# KiCad board 128CR.kicad_pcb (continued)
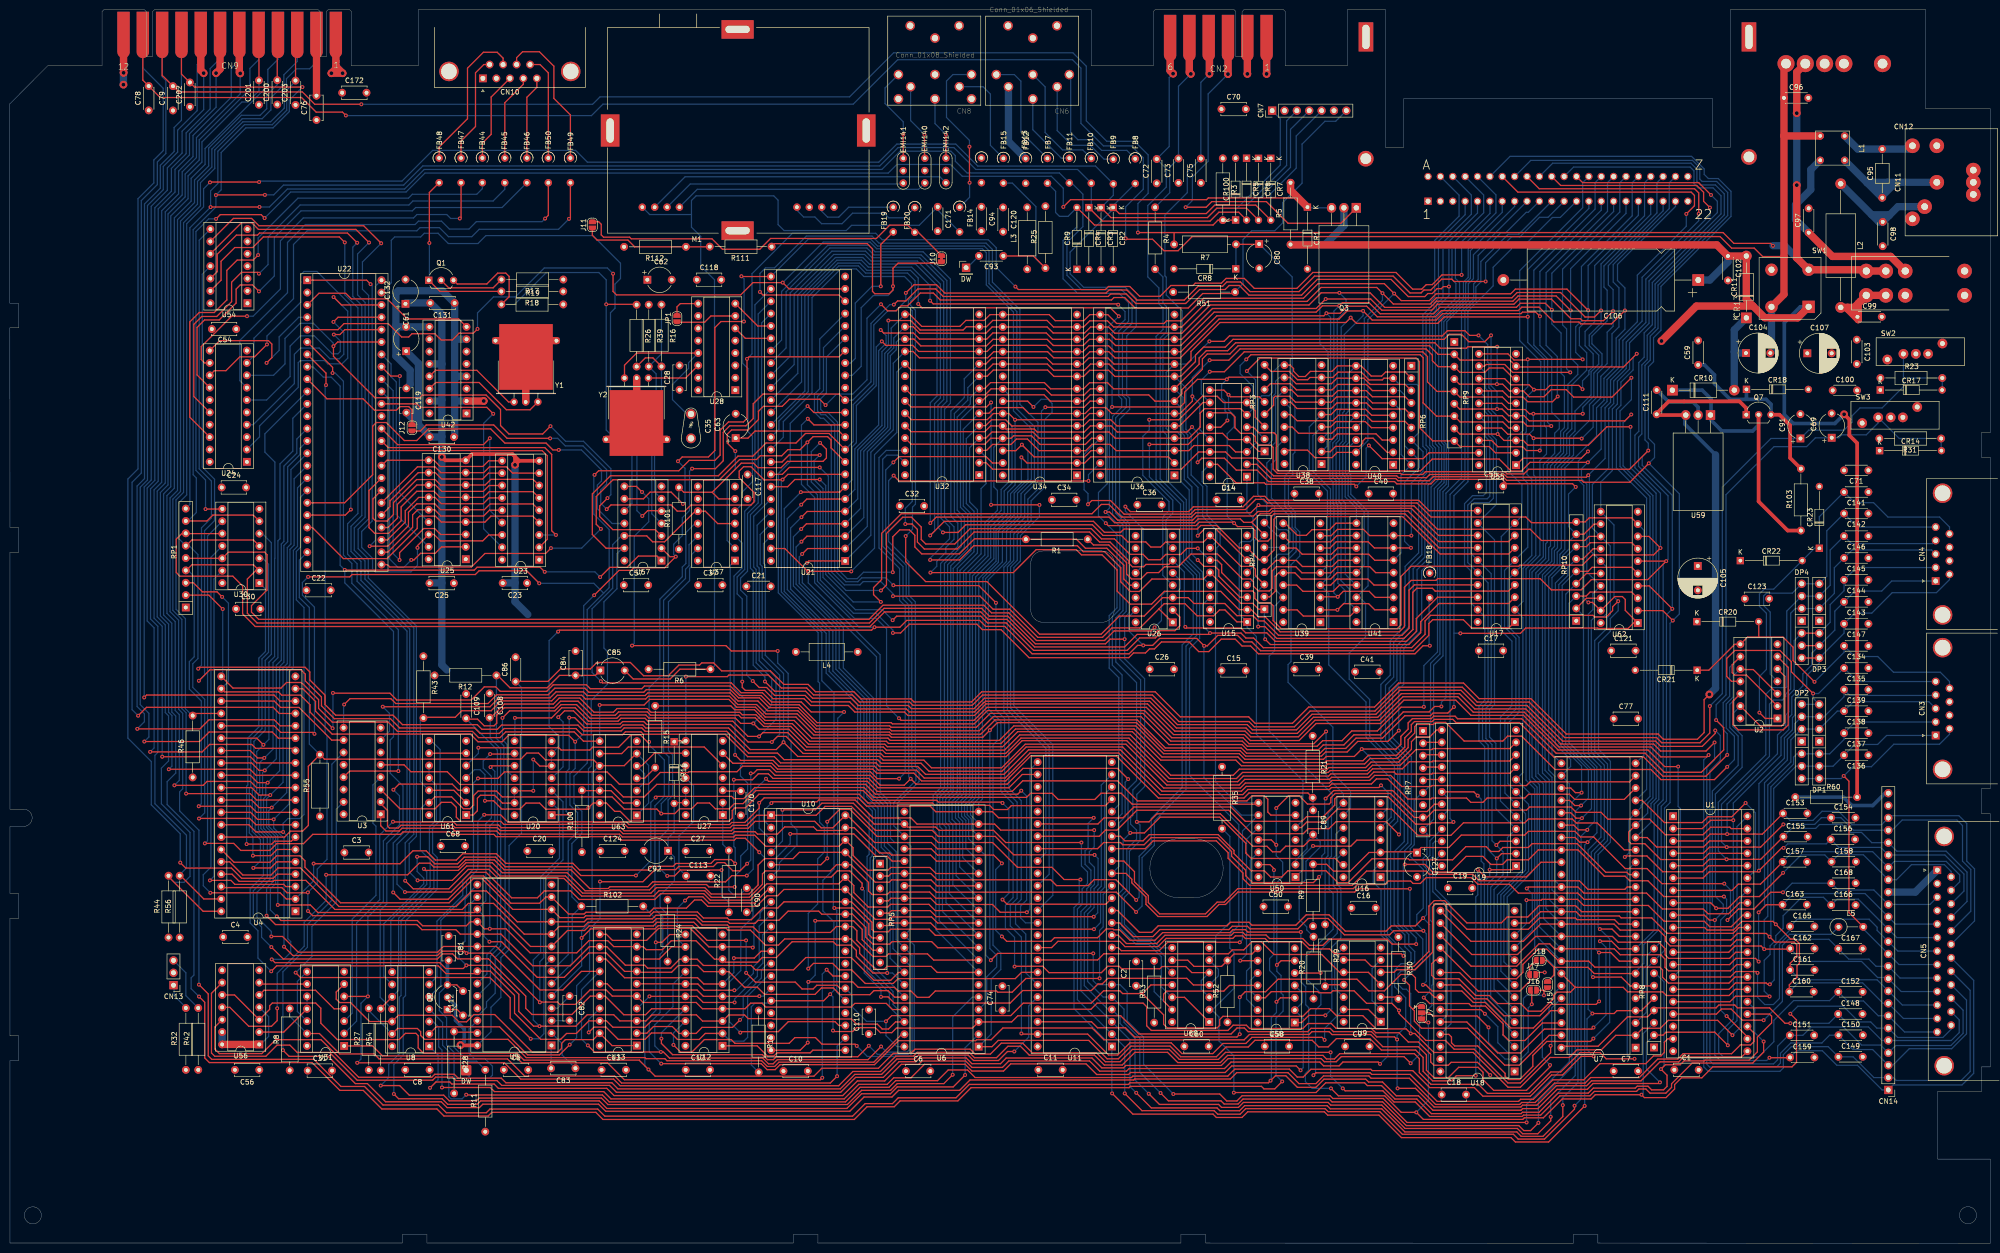
[diagram p0: board, top side]
## Routing (per net, layer and track width the routed paths; a pad name or vN(x,y) marks a point on that pad's centre or on a via; arc(x,y) is an arc through that point) (continued)
/I/O/Control Ports/FBTNA: length 86.5
  Top w0.25: v1(376.49,95.99) 377.56,94.92 377.56,67.94 L5.2
  Bottom w0.25: L5.2 380.51,64.58 387.83,57.25 CN5.8 ; DP2.7 367.88,95.46 DP1.1 375.96,95.46 v1(376.49,95.99) 378.4,97.9 382.17,97.9 386.78,102.51 396.16,102.51 398.21,104.56 CN3.6
/I/O/Control Ports/POTAX: length 71.5
  Top w0.25: v1(370.49,115.33) 366.1,119.72 366.1,122.44 364.02,124.52 359.1,124.52 ; 359.1,124.52 359.05,124.57 CR20.2 ; 359.1,124.52 356.74,124.52 U2.8 354.13,123.05 348.8,117.72 CR21.1
  Bottom w0.25: 398.21,114 398.21,115.4 396.31,117.3 386.71,117.3 383.48,120.53 378.73,120.53 C134.2 376.56,121.4 v1(370.49,115.33)
/I/O/Control Ports/POTAY: length 65
  Top w0.25: v1(370.21,112.93) 365.75,117.39 365.75,119.43 363.42,121.77 354.11,121.77 352.48,120.14 352.48,116.42 353.47,115.43 U2.11
  Bottom w0.25: CN3.5 379.34,115.39 C135.2 371.32,112.93 v1(370.21,112.93) 370.21,111.96 DP1.7 371.46,110.71 DP2.1
/I/O/Control Ports/POTBX: length 85.6
  Top w0.25: U2.1 360.38,107.81 v1(359.18,109.01)
  Bottom w0.25: CN4.9 398.21,147.14 396.17,149.18 385.57,149.18 382.62,152.13 378.75,152.13 C141.2 371.49,149.25 CR23.1 370.5,142.76 CR22.2 362.11,134.37 360.17,134.37 359.19,133.39 359.19,130.84 360.62,129.41 360.62,117.86 359.18,116.42 v1(359.18,109.01)
/I/O/Control Ports/POTBY: length 67.7
  Bottom w0.25: U2.4 361.41,116.91 361.41,129.64 360.04,131.01 360.04,132.96 360.63,133.55 365.94,133.55 DP4.1 367.88,135.47 DP3.7 373.02,137.02 373.02,146.36 C142.2 379.34,147.12 CN4.5
/I/O/IEC Serial/ATNOUT: length 82.1
  Top w0.25: v1(50,77.09) 53.58,77.09 54.84,78.35 U4.5
  Bottom w0.25: U30.5 51.84,145.78 53.7,143.92 53.7,120.99 52.45,119.74 52.45,105.42 50.13,103.09 50.13,93.39 49.8,93.07 49.8,84.59 51.45,82.94 51.45,78.54 v1(50,77.09)
/I/O/IEC Serial/CLKOUT: length 73.4
  Top w0.25: v1(49.93,79.62) 53.6,79.62 54.88,80.89 U4.6
  Bottom w0.25: U30.3 51.92,140.7 53.13,139.49 53.13,121.39 51.78,120.04 51.78,105.72 49.48,103.42 49.48,93.77 49.18,93.47 49.18,84.29 49.93,83.54 v1(49.93,79.62)
/I/O/IEC Serial/DATAOUT: length 66.4
  Top w0.25: v1(48.63,81.99) 53.78,81.99 54.38,82.59 57.81,82.59 58.65,83.43
  Bottom w0.25: v1(48.63,81.99) 48.63,93.89 48.88,94.14 48.88,103.79 51.13,106.04 51.13,120.19 52.5,121.57 52.5,134.37 U30.1
/I/O/PA2: length 201.1
  Top w0.25: v1(35,78.19) 36.13,77.07 45.5,77.07 47.6,74.97 54.08,74.97 54.92,75.81 58.65,75.81
  Bottom w0.25: v1(35,78.19) 35,84.12 29.05,90.07 29.05,98.97 24.25,103.77 24.25,156.99 26.33,159.07 26.33,214.57 29.58,217.82 29.58,222.52 31.5,224.44 31.5,237.25 27.32,241.43 CN9.M
/I/O/PB0: length 189.5
  Top w0.25: 58.65,91.05 50.69,91.05 49.38,92.37 v1(36.2,92.37)
  Bottom w0.25: v1(36.2,92.37) 36.2,108.97 35.33,109.84 35.33,128.15 33.48,130 33.48,152.85 35.05,154.42 35.05,209.96 38.54,213.45 38.54,218.13 41.49,221.08 41.49,224.77 47.72,231 51.8,231 53.61,232.81 53.61,235.36 53.65,235.36 56.27,237.98 56.27,240.01 59.02,242.76 CN9.C
/I/O/PB1: length 187.4
  Top w0.25: 58.65,93.59 50.68,93.59 49.4,94.87 40.5,94.87 39.7,94.07 v1(33.8,94.07)
  Bottom w0.25: CN9.D 55.06,243.19 52.98,241.12 52.98,237.62 52.84,237.62 40.1,224.89 40.1,221.62 37.24,218.76 37.24,214.08 33.79,210.63 33.79,155.11 32.27,153.59 32.27,129.4 33.96,127.71 33.96,109.45 34.8,108.61 34.8,95.07 v1(33.8,94.07)
/I/O/PB2: length 183.5
  Top w0.25: U4.12 50.56,96.13 49.33,97.37 v1(32.65,97.37)
  Bottom w0.25: CN9.E 51.1,243.13 49.3,241.34 49.3,237.08 38.9,226.68 38.9,222.53 36.01,219.64 36.01,214.96 32.49,211.44 32.49,155.78 30.92,154.21 30.92,128.88 32.61,127.19 32.61,109.09 33.29,108.41 33.29,98.01 v1(32.65,97.37)
/I/O/PB3: length 180.6
  Top w0.25: v1(31.3,99.94) 49.4,99.94 50.67,98.67 U4.13
  Bottom w0.25: CN9.F 47.13,243.01 45.47,241.35 45.47,235.41 37.62,227.56 37.62,223.21 34.67,220.26 34.67,215.57 31.19,212.09 31.19,156.32 29.63,154.76 29.63,128.41 31.3,126.74 v1(31.3,99.94)
/I/O/PB4: length 181.9
  Top w0.25: v1(28.83,100.94) 39.5,100.94 41.03,102.47 49.68,102.47 50.48,101.66 58.2,101.66 58.65,101.21
  Bottom w0.25: v1(28.83,100.94) 29.63,101.75 29.63,126.42 28.21,127.84 28.21,155.15 29.78,156.72 29.78,212.7 33.18,216.1 33.18,220.79 36.21,223.82 36.21,228.09 41.13,233.01 41.13,241.3 43.17,243.34 CN9.H
/I/O/PB5: length 180.3
  Top w0.25: U4.15 55.14,103.75 53.88,105.02 40.93,105.02 38.98,103.07 v1(27.63,103.07)
  Bottom w0.25: CN9.J 39.21,242.88 38.47,242.14 38.47,232.66 34.46,228.65 34.46,224.14 31.52,221.2 31.52,216.43 28.27,213.18 28.27,156.79 26.79,155.31 26.79,110.64 28.56,108.87 28.56,104 v1(27.63,103.07)
/I/O/PB6: length 177.8
  Top w0.25: U4.16 55.53,106.29 54.28,107.54 40.93,107.54 39.05,105.67 v1(26.18,105.67)
  Bottom w0.25: v1(26.18,105.67) 27.64,107.13 27.64,108.76 26.14,110.26 26.14,155.55 27.66,157.07 27.66,213.48 30.91,216.73 30.91,221.43 33.74,224.26 33.74,229.19 35.25,230.69 CN9.K
/I/O/PB7: length 173.6
  Top w0.25: U4.17 55.34,108.83 54.08,110.09 28.08,110.09 v1(26.35,108.37)
  Bottom w0.25: v1(26.35,108.37) 25.11,109.61 25.11,156.32 27.01,158.22 27.01,214.19 30.3,217.48 30.3,222.12 32.04,223.86 32.04,238.87 31.28,239.63 CN9.L
/I/O/ROW0: length 139.5
  Top w0.25: U1.10 347.94,64.86 348.45,64.34 353.83,64.34 355.6,66.12 361.95,66.12 v1(362.55,65.52) 365.58,62.49 366.48,62.49 367.4,61.57 367.4,57.52 366.9,57.02 366.9,54.67 365.33,53.09 C160.1
  Bottom w0.25: C160.1 367.15,53.49 380.38,53.49 384.6,49.27 CN14.8 388.75,46.17 CN5.12 ; CN3.1 385.3,104.31 383.45,102.46 378.76,102.46 C136.2 374.3,98 DP1.2 371.46,98.01 DP2.6 366.7,98.01 362.12,93.43 362.12,65.95 v1(362.55,65.52)
/I/O/ROW1: length 137.7
  Top w0.25: U1.11 353.35,62.32 354.68,63.64 360.6,63.64 v1(361.28,62.97) 362.38,61.87 366.3,61.87 366.85,61.32 366.85,58.87 365.5,57.52 C161.1
  Bottom w0.25: CN3.2 378.85,107.08 C137.2 376.56,103.49 373.61,100.54 DP1.3 367.88,100.54 DP2.5 366.89,100.55 366.19,99.85 366.19,98.42 361.54,93.77 361.54,63.23 v1(361.28,62.97) ; CN5.11 388.52,48.94 CN14.9 383.35,54.12 367.53,54.12 C161.1
/I/O/ROW2: length 137.5
  Top w0.25: U1.12 352.89,59.78 354.18,61.07 359.53,61.07 v1(360.18,60.42) 365.38,60.42 C162.1
  Bottom w0.25: v1(360.18,60.42) 360.18,66.45 360.9,67.18 360.9,94.12 365.64,98.86 365.64,103.4 DP2.3 371.46,105.63 DP1.5 375.17,109.32 C138.2 378.48,111.24 393.98,111.24 CN3.3 ; C162.1 368.15,57.89 380.15,57.89 383.45,54.59 385.41,54.59 388.29,51.71 CN5.10
/I/O/ROW3: length 144.4
  Top w0.25: U1.13 353.07,57.24 354.35,58.52 358.38,58.52 v1(359.03,57.87) ; C163.1 360.6,69.54 v1(359.03,67.97)
  Bottom w0.25: CN5.5 387.14,65.56 380.86,71.84 366.23,71.84 C163.1 ; v1(359.03,57.87) v1(359.03,67.97) 360.23,69.17 360.23,94.59 364.92,99.28 364.92,103.54 366.42,105.04 366.42,106.72 DP2.2 367.88,108.16 DP1.6 372.45,108.16 376.56,112.27 C139.2 377.76,112.53 395.28,112.53 CN3.4
/I/O/ROW5: length 68
  Top w0.25: v1(361.33,53.19) 360.85,53.19 360.58,53.47 354.25,53.47 352.94,52.16 U1.15
  Bottom w0.25: v1(361.33,53.19) 362.23,54.09 362.23,61.12 365.48,64.37 C165.1 366.98,66.57 381.7,66.57 383.35,64.92 383.35,64.27 CN14.13 387.6,60.02 CN5.7
/I/O/ROW6: length 76.6
  Top w0.25: U1.16 353.15,49.62 354.28,50.74 361.23,50.74 v1(361.28,50.69)
  Bottom w0.25: v1(361.28,50.69) 360.18,51.79 360.18,58.12 361.38,59.32 361.38,61.09 362.55,62.27 362.55,63.19 364.05,64.69 364.05,67.27 367.85,71.07 372.33,71.07 C166.1 375.15,70.69 379.47,70.69 387.37,62.79 CN5.6
/I/O/ROW7: length 72.5
  Top w0.25: v1(360.05,45.82) 355.68,45.82 353.38,48.12 351.4,48.12 350.36,47.08 U1.17
  Bottom w0.25: CN5.9 388.06,54.48 CN14.11 383.13,56.89 381.65,58.37 377.53,58.37 C167.1 373.45,62.44 365.15,62.44 363.9,61.19 363.9,49.67 v1(360.05,45.82)
/I/O/~{VA15}: length 82.7
  Top w0.25: v1(41.1,74.54) 45.4,74.54 46.23,73.72 56.23,73.72 56.67,73.27 58.65,73.27
  Bottom w0.25: U30.13 41.93,136.45 41.93,75.37 v1(41.1,74.54)
/VDC/B: length 17.2
  Top w0.25: FB46.1 106.16,235.41 108.21,237.45 CN10.5
/VDC/COMP: length 31.3
  Top w0.25: 101.28,242.13 101.28,243.44 100.07,244.65 97.23,244.65 93.97,241.39 93.97,231 88.15,225.18 FB48.1
/VDC/DA0: length 30.9
  Top w0.25: U22.26 77.59,141.95 82.7,147.07 82.7,149.62 83.76,150.68 U25.14 87.24,150.68 88.53,149.39 97.28,149.39 98.46,150.58 U23.14
/VDC/DA1: length 30.8
  Top w0.25: U23.13 98.4,153.12 97.2,151.92 88.6,151.92 87.3,153.22 U25.13 83.95,153.22 81.2,150.47 81.2,148.14 77.55,144.49 U22.27
/VDC/DA2: length 31.1
  Top w0.25: U22.28 77.64,147.03 79.58,148.97 79.58,151.77 83.57,155.76 U25.12 87.36,155.76 88.68,154.44 97.2,154.44 98.42,155.66 U23.12
/VDC/DA3: length 30.1
  Top w0.25: U23.11 98.28,158.2 97.08,156.99 88.68,156.99 87.37,158.3 U25.11 83.86,158.3 78.05,152.49 78.05,151.31 U22.29
/VDC/DA4: length 37
  Top w0.25: U23.8 103.25,158.2 101.95,159.49 98.48,159.49 97.28,158.3 U25.8 88.5,158.3 87.3,159.49 83.7,159.49 U22.30
/VDC/DA5: length 47.3
  Top w0.25: U22.31 74.55,152.89 74.55,148.94 75.13,148.37 77.45,148.37 78.78,149.69 78.78,152.14 83.52,156.88 87.34,156.88 88.46,155.76 U25.7 97.59,155.76 98.75,156.92 107.44,156.92 U23.7
/VDC/DA6: length 53.5
  Top w0.25: U23.6 107.42,154.39 98.45,154.39 97.28,153.22 U25.6 88.35,153.22 87.1,154.47 83.55,154.47 80.35,151.27 80.35,148.42 77.75,145.82 74.93,145.82 73.75,146.99 73.75,154.63 U22.32
/VDC/DA7: length 26.2
  Top w0.25: U23.10 98.3,160.74 97.13,159.57 88.38,159.57 87.11,160.84 U25.10 77.42,160.84 U22.33
/VDC/DD0: length 54.2
  Top w0.25: U22.34 76.89,162.84 94.6,162.84 94.63,162.81 109.31,162.81 110.35,161.77 110.35,144.61 U23.2
/VDC/DD1: length 56.4
  Top w0.25: v1(112.13,145.49) 111.25,146.37 111.25,162.04 109.85,163.44 77.69,163.44 U22.35
  Bottom w0.25: v1(112.13,145.49) 108.7,145.49 U23.3
/VDC/DD2: length 42.5
  Top w0.25: U22.36 79.63,164.04 97.23,164.04 v1(98.55,165.37)
  Bottom w0.25: U23.15 98.55,150.56 v1(98.55,165.37)
/VDC/DD3: length 53.6
  Top w0.25: U22.38 83.56,172.43 84.28,171.72 97.93,171.72 v1(99.25,170.39)
  Bottom w0.25: U23.17 97.28,146.76 97.28,168.42 v1(99.25,170.39)
/VDC/DD4: length 53.2
  Top w0.25: v1(82.43,140.37) 82.98,140.37 84.33,141.72 87.33,141.72 88.67,143.06 U25.2
  Bottom w0.25: U22.39 77.98,173.31 77.98,140.57 79.73,138.82 80.88,138.82 v1(82.43,140.37)
/VDC/DD5: length 56.4
  Top w0.25: v1(80.03,140.34) 80.03,141.87 84.98,146.82 87.23,146.82 88.45,145.6 U25.3
  Bottom w0.25: v1(80.03,140.34) 78.7,141.67 78.7,175.13 U22.40
/VDC/DD6: length 37.1
  Top w0.25: U22.41 78.23,178.14 v1(80.08,178.14)
  Bottom w0.25: U25.15 80,154.14 80,178.07 v1(80.08,178.14)
/VDC/DD7: length 43.5
  Bottom w0.25: U22.42 78.28,180.63 78.28,177.99 79.35,176.92 79.35,149.71 U25.17
/VDC/G: length 17.9
  Top w0.25: CN10.4 105.44,238.09 101.63,234.28 FB45.1
/VDC/HSYNC: length 31.1
  Top w0.25: FB49.1 115.1,231.78 111.7,235.18 111.7,241.8 108.74,244.76 105.27,244.76 104.05,243.54 104.05,242.13
/VDC/I: length 22.3
  Top w0.25: FB47.1 92.65,226.44 95.61,229.4 95.61,240.43 97.32,242.13 98.51,242.13
/VDC/R: length 18.7
  Top w0.25: CN10.3 98.83,235.46 98.83,227.8 97.03,225.99 FB44.1
/VDC/VSYNC: length 21.9
  Top w0.25: 106.82,242.13 108.86,242.13 110.56,240.43 FB50.1
A0: length 751.6
  Top w0.25: U6.7 190.39,55.63 189.15,56.87 180.1,56.87 179.5,56.27 177.73,56.27 174.48,59.52 174.48,60.72 172.68,62.52 U10.30 159.08,62.52 157.8,61.24 155.13,61.24 152.05,64.32 147.45,64.32 147.05,64.72 141.65,64.72 140.43,65.94 132.88,65.94 132.13,65.19 118.95,65.19 118,64.24 114.51,64.24 U5.9 106.91,60.96 100.58,67.29 62.18,67.29 v1(61.23,68.24) ; v1(61.2,72.07) 61.13,71.99 56.93,71.99 55.85,73.07 43.62,73.07 43.41,73.27 ; U32.10 200.41,180.65 201.65,181.89 212.8,181.89 214.09,180.6 220.29,180.6 221.55,181.87 225.43,181.87 226.69,180.6 239.1,180.6 ; v1(246.28,185.27) 249.27,185.27 250.4,186.4 294.08,186.4 295.14,187.46 298.72,187.46 299.69,186.49 v1(301.52,186.49) ; U22.7 64.93,178.74 v1(64.93,176.29) ; v1(332.73,167.72) 327.85,167.72 324.08,163.94 311.68,163.94 310.7,164.92 U55.3 306.75,164.92 v1(305.45,166.22) 297.7,166.22 RP9.8 ; U1.38 348.95,82.64 347.7,81.39 338.08,81.39 336.12,83.35 U7.18
  Bottom w0.25: v1(61.23,68.24) 61.2,68.27 v1(61.2,72.07) 63.13,73.99 63.13,76.87 65.13,78.87 65.13,104.32 64.75,104.69 64.75,176.12 v1(64.93,176.29) ; v1(301.52,186.49) 303.41,184.6 303.41,181.03 303.64,180.8 303.64,175.75 304.18,175.21 304.18,171.15 305.45,169.88 v1(305.45,166.22) ; U6.7 190.1,64.43 190.1,84.42 189.58,84.94 189.58,92.07 191.1,93.59 191.1,139.64 194.63,143.17 194.63,147.94 193.2,149.37 193.2,170.97 195.95,173.72 195.95,177.58 U32.10 ; v1(332.73,167.72) 332.73,159.32 337.98,154.07 337.98,91.37 336.93,90.32 336.93,86.5 U7.18 ; U15.13 244.85,136.79 244.85,137.87 242.13,140.59 242.13,154.74 240.38,156.49 240.38,165.94 239.65,166.67 238.1,166.67 237.4,167.37 237.4,178.9 239.1,180.6 241.61,180.6 v1(246.28,185.27)
A1: length 622.9
  Top w0.25: U7.19 332.33,84.44 332.33,82.6 332.84,82.09 335.65,82.09 338.91,78.83 347.58,78.83 348.85,80.1 U1.37 ; RP9.6 297.63,171.37 v1(305.33,171.37) 306.35,171.37 307.72,170 U55.5 310.87,170 311.93,168.94 331.58,168.94 v1(332.88,170.24) ; U32.9 200.65,178.11 201.9,179.37 213.05,179.37 214.36,178.06 U34.9 220.45,178.06 221.7,179.32 225.6,179.32 226.86,178.06 U36.9 240.37,178.06 243.41,181.11 243.41,182.42 245.07,184.08 249.52,184.08 251.12,185.68 294.44,185.68 295.49,186.73 298.01,186.73 299.54,185.2 302.78,185.2 v1(304.09,186.51) ; U6.8 189.67,58.17 188.4,59.44 180.4,59.44 179.88,58.92 177.2,58.92 173.9,62.22 173.9,64.19 173.04,65.06 U10.31 169.69,65.06 168.48,63.84 153.75,63.84 152.6,64.99 147.7,64.99 147.33,65.37 142.13,65.37 140.8,66.69 132.78,66.69 132.03,65.94 118.73,65.94 117.85,65.07 112.79,65.07 U5.10 105.62,63.5 99.3,69.82 94.15,69.82 92.9,68.57 66.75,68.57 60.78,74.54 54.29,74.54 54.09,74.34 47.1,74.34 45.63,75.81 43.41,75.81
  Bottom w0.25: v1(304.09,186.51) 304.09,176.16 305.33,174.92 v1(305.33,171.37) ; U6.8 190.8,66.27 190.8,84.84 190.38,85.27 190.38,91.97 191.88,93.47 191.88,139.64 195.33,143.09 195.33,148.74 193.93,150.14 193.93,170.44 196.68,173.19 196.68,175.76 U32.9 ; U36.9 241.45,175.71 241.45,167.22 242.53,166.14 242.53,157.82 244.9,155.44 244.9,149.29 247.8,146.39 247.8,144.25 U15.10 ; U7.19 336.25,88.36 336.25,90.42 337.33,91.49 337.33,153.57 331.2,159.69 331.2,168.57 v1(332.88,170.24)
A2: length 633.1
  Top w0.25: U6.9 190.51,60.71 189.25,61.97 181.15,61.97 180.63,61.44 177.18,61.44 175.73,62.89 175.73,64.87 173,67.6 U10.32 166.7,67.6 166.08,68.22 159.78,68.22 157.9,66.34 153.65,66.34 153.03,65.72 147.77,65.72 147.42,66.07 142.25,66.07 140.95,67.37 132.63,67.37 131.9,66.64 118.53,66.64 117.93,66.04 U5.11 104.18,66.04 97.85,72.37 94.83,72.37 91.63,69.17 67.6,69.17 59.68,77.09 55.08,77.09 53.63,75.64 47.85,75.64 45.14,78.35 U4.36 ; RP9.4 297.61,176.47 v1(305.3,176.47) 306.48,176.47 307.87,175.08 U55.7 310.74,175.08 311.93,173.89 314.98,173.89 316.43,175.34 319.53,175.34 321.05,173.82 328.93,173.82 v1(332.9,177.79) ; v1(331.55,79.34) 331.78,79.57 336.08,79.57 339.33,76.32 347.5,76.32 348.74,77.56 U1.36 ; U32.8 200.13,175.57 201.35,176.79 212.4,176.79 213.67,175.52 U34.8 220.43,175.52 221.68,176.77 225.38,176.77 226.62,175.52 U36.8 244.17,180.59 244.17,181.87 245.65,183.35 250.02,183.35 251.65,184.98 292.54,184.98 293.66,183.86 299.04,183.86 299.34,184.16 v1(305.35,184.16) ; U15.6 247.53,146.82 245.35,146.82 v1(243.88,145.34)
  Bottom w0.25: v1(331.55,79.34) 332.4,80.19 332.4,87.05 U7.20 334.9,89.55 334.9,89.97 336.73,91.79 336.73,153.42 330.58,159.57 330.58,170.97 332.9,173.29 v1(332.9,177.79) ; U32.8 197.2,173.75 197.2,172.42 194.5,169.72 194.5,150.59 195.95,149.14 195.95,142.82 192.53,139.39 192.53,93.32 190.93,91.72 190.93,85.57 191.48,85.02 191.48,68.14 U6.9 ; v1(305.35,184.16) 305.35,176.52 v1(305.3,176.47) ; U36.8 240.83,173.8 240.83,167.04 241.83,166.04 241.83,157.37 243.93,155.27 243.93,145.39 v1(243.88,145.34)
A3: length 626.4
  Top w0.25: U15.3 252.55,132.7 248.2,137.04 248.2,138.29 247.45,139.04 245.18,139.04 v1(243.88,140.34) ; U6.10 190.02,63.25 188.75,64.52 180.88,64.52 180.35,63.99 177.48,63.99 177.03,64.44 177.03,65.92 172.81,70.14 U10.33 158.95,70.14 157.68,68.87 154.63,68.87 152.23,66.47 147.65,66.47 147.3,66.82 142.4,66.82 141.18,68.04 132.18,68.04 131.4,67.27 118.23,67.27 117.85,66.89 112.92,66.89 U5.12 103.26,68.58 96.95,74.89 95.15,74.89 90.2,69.94 67.9,69.94 60.6,77.24 60.6,78.57 59.58,79.59 54.78,79.59 53.45,78.27 46.04,78.27 U4.35 ; 199.03,173.03 199.62,173.03 200.88,174.29 212.33,174.29 213.64,172.98 U34.7 220.52,172.98 221.8,174.27 233.83,174.27 235.11,172.98 U36.7 240.62,174.5 240.62,175.31 244.84,179.53 244.84,181.67 245.84,182.67 250.47,182.67 252.17,184.37 291.45,184.37 293.22,182.6 RP9.2 297.74,181.42 307.97,181.42 U55.9 309.37,180.02 331.3,180.02 v1(334,182.72) ; U7.21 335.13,90.97 339.68,86.42 347.43,86.42 348.63,87.62 353.53,87.62 v1(356.35,90.44)
  Bottom w0.25: v1(243.88,140.34) 242.68,141.54 242.68,155.37 241.13,156.92 241.13,165.94 240.33,166.74 240.33,171.76 U36.7 ; 199.03,173.03 195.18,169.18 195.18,151.19 196.65,149.72 196.65,142.62 193.18,139.14 193.18,93.07 191.53,91.42 191.53,86.14 192.2,85.47 192.2,69.95 U6.10 ; U1.35 358.38,76.68 358.38,88.42 v1(356.35,90.44) ; U7.21 336.03,93.22 336.03,153.07 329.83,159.27 329.83,171.22 330.75,172.14 330.75,176.89 333.25,179.39 333.25,181.97 v1(334,182.72)
A4: length 556.7
  Top w0.25: U55.8 308.75,177.62 306.58,179.79 303.7,179.79 302.8,178.89 297.72,178.89 RP9.3 293.26,180.06 292.05,181.27 292.05,182.42 290.75,183.72 252.58,183.72 250.25,181.39 v1(246.33,181.39) ; U6.11 190.48,65.79 189.23,67.04 181.18,67.04 180.68,66.54 177.68,66.54 U10.34 158.94,72.68 157.65,71.39 155.48,71.39 153.28,69.19 143.33,69.19 142,70.52 140.58,70.52 138.9,68.84 132.23,68.84 131.38,67.99 118.28,67.99 117.93,67.64 114.71,67.64 U5.13 110.06,71.12 108.78,69.84 102.88,69.84 97.28,75.44 94.78,75.44 90,70.67 80.13,70.67 v1(78.73,72.07) ; v1(68.78,205.59) 67.65,206.72 52.05,206.72 49.88,204.54 46.2,204.54 43.38,201.72 43.38,197.83 41.18,195.63 ; v1(242.78,173.97) 242.78,172.99 240.23,170.44 226.23,170.44 225,171.67 221.98,171.67 220.75,170.44 209.23,170.44 208,171.67 202.18,171.67 201,170.49 U32.6
  Bottom w0.25: v1(246.33,181.39) 242.78,177.84 v1(242.78,173.97) 244.3,172.44 244.3,167.14 U14.13 ; v1(78.73,72.07) 78.73,82.22 81.55,85.04 81.55,125.74 71.3,135.99 71.3,139.59 69.35,141.54 69.35,147.79 71.48,149.92 71.48,192.14 68.78,194.84 v1(68.78,205.59) ; U32.6 195.75,167.22 195.75,151.44 197.33,149.87 197.33,142.27 193.68,138.62 193.68,92.74 192.1,91.17 192.1,86.44 192.9,85.64 192.9,71.79 U6.11
A5: length 546.4
  Top w0.25: U6.12 189.99,68.33 188.7,69.62 180.8,69.62 180.25,69.07 176.25,69.07 173.28,72.04 173.28,73.48 U10.35 170.17,73.84 155.43,73.84 152.05,70.47 143.83,70.47 142.48,71.82 133.6,71.82 132.4,70.62 116.9,70.62 115.13,72.39 109.75,72.39 108.33,70.97 103.03,70.97 97.8,76.19 94.63,76.19 90.58,72.14 v1(81.13,72.14) ; v1(71.33,205.52) 69.33,207.52 51.28,207.52 50.85,207.09 46.53,207.09 42.6,203.17 42.6,199.59 U54.12 ; v1(246.34,179.03) 249.34,179.03 253.42,183.11 290.07,183.11 291.05,182.13 291.05,176.95 293.02,174.98 RP9.5 297.69,173.84 306.4,173.84 307.71,172.54 U55.6 ; U32.5 200.34,167.95 201.55,169.17 204.45,169.17 205.72,167.9 U34.5 220.44,167.9 221.7,169.17 226.03,169.17 227.29,167.9 U36.5 240.15,167.9 244.95,172.71 U14.10
  Bottom w0.25: v1(71.33,205.52) 70.43,204.62 70.43,194.52 72.28,192.67 72.28,149.49 70.05,147.27 70.05,142.12 72.1,140.07 72.1,136.17 82.1,126.17 82.1,84.54 79.5,81.94 79.5,73.77 v1(81.13,72.14) ; U14.10 244.61,174.45 244.61,177.3 v1(246.34,179.03) ; U32.5 196.38,165.3 196.38,151.94 197.95,150.37 197.95,142.04 194.53,138.62 194.53,92.74 192.83,91.04 192.83,86.72 193.6,85.94 193.6,73.63 U6.12
A6: length 551.2
  Top w0.25: U55.4 307.76,167.46 306.5,168.72 297.74,168.72 RP9.7 292.89,169.9 290.15,172.64 290.15,181.9 289.53,182.52 254.8,182.52 v1(253.85,181.57) ; U54.10 47.57,209.64 49.68,209.64 51.05,208.27 71.05,208.27 v1(73.75,205.57) ; U32.4 200.4,165.41 201.63,166.64 210.05,166.64 211.33,165.36 U34.4 220.7,165.36 221.98,166.64 225.68,166.64 226.96,165.36 U36.4 242.07,165.36 244.38,167.67 244.38,170.54 245.28,171.44 252.7,171.44 U14.6 ; v1(81.18,74.47) 82.83,72.82 90.15,72.82 94.13,76.79 98.38,76.79 100.23,74.94 113.78,74.94 117.4,71.32 132.2,71.32 133.3,72.42 142.68,72.42 144.03,71.07 151.85,71.07 154.53,73.74 154.53,75.89 155.13,76.49 168.45,76.49 169.72,77.76 U10.36 172.67,77.76 176.3,74.13 176.3,72.37 177.03,71.64 180.15,71.64 180.65,72.14 188.85,72.14 190.12,70.87 U6.13
  Bottom w0.25: U6.13 194.28,75.5 194.28,86.24 193.45,87.07 193.45,90.77 195.08,92.39 195.08,138.22 198.65,141.79 198.65,150.69 197.05,152.29 197.05,163.44 U32.4 ; v1(81.18,74.47) 81.18,82.24 82.95,84.02 82.95,126.42 72.93,136.44 72.93,140.17 70.73,142.37 70.73,146.94 72.95,149.17 72.95,193.27 71.4,194.82 71.4,203.22 v1(73.75,205.57) ; U14.6 255.21,171.4 255.21,176.02 252.59,178.64 252.59,180.31 v1(253.85,181.57)
A7: length 552.2
  Top w0.25: v1(253.96,179.16) 256.64,181.84 288.69,181.84 289.4,181.13 289.4,167.56 292.14,164.82 RP9.9 297.71,163.67 303.7,163.67 304.99,162.38 U55.2 ; U14.3 251.65,162.55 250.33,163.87 243.1,163.87 242.06,162.82 U36.3 227.15,162.82 225.85,164.12 222.18,164.12 220.88,162.82 U34.3 211.3,162.82 208.93,165.19 206.65,165.19 205.55,164.09 201.75,164.09 200.53,162.87 199.03,162.87 ; U54.9 45.91,210.52 49.65,210.52 51.15,209.02 72.65,209.02 v1(76.25,205.42) ; U6.14 190.36,73.41 189.13,74.64 181.03,74.64 180.55,74.17 177.67,74.17 U10.37 162.08,80.3 160.8,79.02 154.95,79.02 153.63,77.69 153.63,73.59 151.78,71.74 144,71.74 142.7,73.04 132.75,73.04 131.63,71.92 117.6,71.92 114.08,75.44 100.65,75.44 98.6,77.49 93.8,77.49 90.85,74.54 v1(83.73,74.54)
  Bottom w0.25: U6.14 195,77.31 195,86.52 194.15,87.37 194.15,90.72 195.8,92.37 195.8,138.02 199.4,141.62 199.4,155.02 200.45,156.07 200.45,161.45 199.03,162.87 ; v1(76.25,205.42) 72.4,201.57 72.4,195.97 73.68,194.69 73.68,148.82 71.53,146.67 71.53,142.69 73.6,140.62 73.6,136.67 83.48,126.79 83.48,83.59 82,82.12 82,76.27 v1(83.73,74.54) ; U14.3 255.75,164.32 255.75,177.37 v1(253.96,179.16)
A8: length 454.7
  Top w0.25: U32.25 185.06,164.14 200.18,164.14 201.4,165.36 U34.25 205.57,165.36 206.08,165.87 209.75,165.87 211.53,164.09 220.8,164.09 222.07,165.36 U36.25 ; U62.9 332.95,149.02 324.25,149.02 323.42,148.19 RP10.9 321.41,148.02 312.4,148.02 311.23,149.19 291.78,149.19 288.9,152.07 258.2,152.07 257.45,152.82 255.78,152.82 253.68,150.72 243.35,150.72 242.4,149.77 228.78,149.77 225.98,152.57 222.13,152.57 v1(221.35,151.79) ; U6.15 190.14,75.95 188.9,77.19 180.85,77.19 180.28,76.62 176.18,76.62 173.13,79.67 173.13,81.25 U10.38 170.25,81.54 155.2,81.54 152.93,83.82 148.98,83.82 148.63,83.47 125.75,83.47 125.18,84.04 100.58,84.04 99.95,84.67 91.4,84.67 90.83,85.24 80.5,85.24 79.95,84.69 77.23,84.69 76.15,85.77 U3.1
  Bottom w0.25: v1(221.35,151.79) 221.35,153.99 220.55,154.79 220.55,162.05 U36.25 ; U6.15 195.63,79.23 195.63,86.69 194.75,87.57 194.75,90.42 196.33,91.99 196.33,137.54 200.18,141.39 200.18,147.97 202.75,150.54 202.75,154.64 202.03,155.37 202.03,163.53 U34.25 ; U7.24 335.48,100.29 335.48,146.49 U62.9
A9: length 445.5
  Top w0.25: v1(243.85,160.42) 244.7,161.27 249.35,161.27 251.8,158.82 256.05,158.82 258.4,156.47 284.28,156.47 284.75,155.99 291.75,155.99 292.68,156.92 306.38,156.92 307.28,156.02 320.83,156.02 v1(321.48,155.37) ; U62.12 325.25,147.74 323.16,145.65 RP10.8 ; v1(242.7,167.67) 241.68,166.64 227.35,166.64 226.09,167.9 U36.24 221.84,167.9 220.58,166.64 210.93,166.64 210.3,167.27 204.5,167.27 U34.24 201.36,167.9 200.18,166.72 185.02,166.72 U32.24 ; U6.16 190.28,78.49 189.03,79.74 181.03,79.74 180.6,80.17 178.55,80.17 173.34,85.38 U10.39 170.96,84.79 165.73,84.79 165,85.52 159.08,85.52 157.6,84.04 153.5,84.04 153,84.54 148.75,84.54 148.35,84.14 125.9,84.14 125.28,84.77 100.7,84.77 100.1,85.37 91.43,85.37 90.93,85.87 80.33,85.87 79.75,85.29 77.95,85.29 77.55,85.69 77.55,88.9 76.15,90.3 U3.2
  Bottom w0.25: U6.16 196.28,81.12 196.28,86.84 195.4,87.72 195.4,90.34 197.08,92.02 197.08,137.42 200.83,141.17 200.83,147.82 203.53,150.52 203.53,154.84 205.2,156.52 205.2,166.56 U34.24 ; v1(243.85,160.42) 243.85,166.52 v1(242.7,167.67) ; v1(321.48,155.37) 320,153.89 320,147.22 RP10.8 320.13,144.2 320.13,142.62 318.8,141.29 318.8,138.94 316.6,136.74 316.6,100.52 318.54,98.59
A10: length 616.4
  Top w0.25: v1(238.87,30.66) 248.4,30.66 249.82,29.24 251.93,29.24 253,30.31 271.05,30.31 271.62,29.74 281.92,29.74 286.84,24.82 v1(311.39,24.82) ; U6.17 190.46,81.03 189.18,82.32 177.55,82.32 171.95,87.92 U10.40 168.97,85.34 166.58,85.34 165.25,86.67 153.03,86.67 151.6,85.24 148.65,85.24 148.15,84.74 126.13,84.74 125.5,85.37 100.9,85.37 100.35,85.92 91.73,85.92 91.1,86.54 78.73,86.54 v1(78.68,86.59) ; v1(201.4,58.14) 202.8,59.54 v1(222.43,59.54) ; U32.21 185.07,174.29 200.24,174.29 201.47,175.52 U34.21 212.55,175.52 213.83,174.24 220.55,174.24 221.83,175.52 U36.21 ; RP10.7 323.67,143.11 324.48,143.92 332.97,143.92 U62.7
  Bottom w0.25: v1(238.87,30.66) 232.75,36.78 232.75,42.33 229.38,45.7 229.38,51.66 227.92,53.12 U11.6 223.23,53.12 222.43,53.92 v1(222.43,59.54) ; v1(78.68,86.59) 75.95,83.87 75.95,70.57 71.2,65.82 71.2,45.63 U31.2 ; RP10.7 319.35,140.88 319.35,137.67 317.3,135.62 317.3,102.49 320.43,99.37 320.43,97.94 318.54,96.05 320.16,94.42 320.16,37.3 311.39,28.53 v1(311.39,24.82) ; v1(201.4,58.14) 200.38,59.17 200.38,79.56 U6.17 196.85,83.08 196.85,86.99 196,87.84 196,90.02 197.63,91.64 197.63,137.07 201.38,140.82 201.38,147.22 204.15,149.99 204.15,154.54 205.75,156.14 205.75,167.74 205.13,168.37 205.13,174.26 U34.21